# Altium PCB PM12_CFD.PcbDoc (part 3 of 12) (continued)
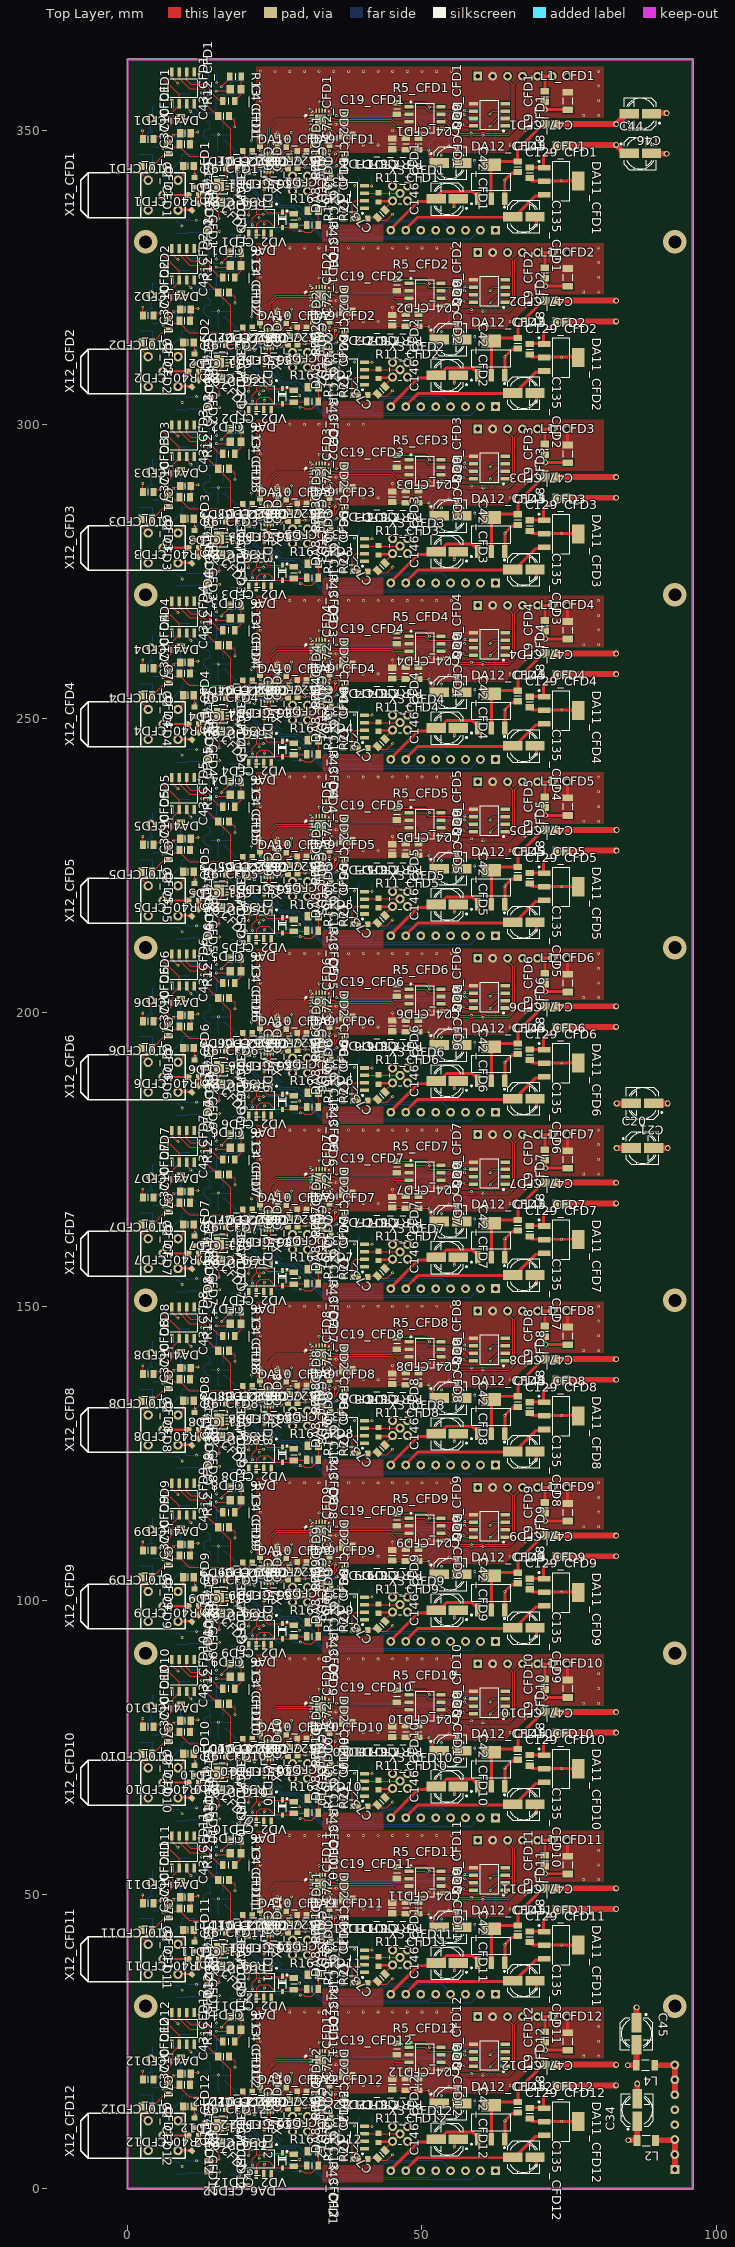
[diagram p0: Top Layer view]
## Components (designator, comment, footprint, x,y, rotation, side; value= is the part's Value field where it differs from the comment) (continued)
R40_CFD12 "27" RESC1608X64N 11.303,11.122 r270 top (schematic designator R40)
R41_CFD1 "51" RESC2012X60N 13.6,343.7 r180 bottom (schematic designator R41)
R41_CFD2 "51" RESC2012X60N 13.6,313.7 r180 bottom (schematic designator R41)
R41_CFD3 "51" RESC2012X60N 13.6,283.7 r180 bottom (schematic designator R41)
R41_CFD4 "51" RESC2012X60N 13.6,253.7 r180 bottom (schematic designator R41)
R41_CFD5 "51" RESC2012X60N 13.6,223.7 r180 bottom (schematic designator R41)
R41_CFD6 "51" RESC2012X60N 13.6,193.7 r180 bottom (schematic designator R41)
R41_CFD7 "51" RESC2012X60N 13.6,163.7 r180 bottom (schematic designator R41)
R41_CFD8 "51" RESC2012X60N 13.6,133.7 r180 bottom (schematic designator R41)
R41_CFD9 "51" RESC2012X60N 13.6,103.7 r180 bottom (schematic designator R41)
R41_CFD10 "51" RESC2012X60N 13.6,73.7 r180 bottom (schematic designator R41)
R41_CFD11 "51" RESC2012X60N 13.6,43.7 r180 bottom (schematic designator R41)
R41_CFD12 "51" RESC2012X60N 13.6,13.7 r180 bottom (schematic designator R41)
R42_CFD1 "10k" RESC2012X60N 27.056,332.9 r180 bottom (schematic designator R42)
R42_CFD2 "10k" RESC2012X60N 27.056,302.9 r180 bottom (schematic designator R42)
R42_CFD3 "10k" RESC2012X60N 27.056,272.9 r180 bottom (schematic designator R42)
R42_CFD4 "10k" RESC2012X60N 27.056,242.9 r180 bottom (schematic designator R42)
R42_CFD5 "10k" RESC2012X60N 27.056,212.9 r180 bottom (schematic designator R42)
R42_CFD6 "10k" RESC2012X60N 27.056,182.9 r180 bottom (schematic designator R42)
R42_CFD7 "10k" RESC2012X60N 27.056,152.9 r180 bottom (schematic designator R42)
R42_CFD8 "10k" RESC2012X60N 27.056,122.9 r180 bottom (schematic designator R42)
R42_CFD9 "10k" RESC2012X60N 27.056,92.9 r180 bottom (schematic designator R42)
R42_CFD10 "10k" RESC2012X60N 27.056,62.9 r180 bottom (schematic designator R42)
R42_CFD11 "10k" RESC2012X60N 27.056,32.9 r180 bottom (schematic designator R42)
R42_CFD12 "10k" RESC2012X60N 27.056,2.9 r180 bottom (schematic designator R42)
R43_CFD1 "1k" RESC2012X60N 31.369,333.883 r0 top (schematic designator R43)
R43_CFD2 "1k" RESC2012X60N 31.369,303.883 r0 top (schematic designator R43)
R43_CFD3 "1k" RESC2012X60N 31.369,273.883 r0 top (schematic designator R43)
R43_CFD4 "1k" RESC2012X60N 31.369,243.883 r0 top (schematic designator R43)
R43_CFD5 "1k" RESC2012X60N 31.369,213.883 r0 top (schematic designator R43)
R43_CFD6 "1k" RESC2012X60N 31.369,183.883 r0 top (schematic designator R43)
R43_CFD7 "1k" RESC2012X60N 31.369,153.883 r0 top (schematic designator R43)
R43_CFD8 "1k" RESC2012X60N 31.369,123.883 r0 top (schematic designator R43)
R43_CFD9 "1k" RESC2012X60N 31.369,93.883 r0 top (schematic designator R43)
R43_CFD10 "1k" RESC2012X60N 31.369,63.883 r0 top (schematic designator R43)
R43_CFD11 "1k" RESC2012X60N 31.369,33.883 r0 top (schematic designator R43)
R43_CFD12 "1k" RESC2012X60N 31.369,3.883 r0 top (schematic designator R43)
R44_CFD1 "200" RESC2012X60N 60.37,349.164 r0 bottom (schematic designator R44)
R44_CFD2 "200" RESC2012X60N 60.37,319.164 r0 bottom (schematic designator R44)
R44_CFD3 "200" RESC2012X60N 60.37,289.164 r0 bottom (schematic designator R44)
R44_CFD4 "200" RESC2012X60N 60.37,259.164 r0 bottom (schematic designator R44)
R44_CFD5 "200" RESC2012X60N 60.37,229.164 r0 bottom (schematic designator R44)
R44_CFD6 "200" RESC2012X60N 60.37,199.164 r0 bottom (schematic designator R44)
R44_CFD7 "200" RESC2012X60N 60.37,169.164 r0 bottom (schematic designator R44)
R44_CFD8 "200" RESC2012X60N 60.37,139.164 r0 bottom (schematic designator R44)
R44_CFD9 "200" RESC2012X60N 60.37,109.164 r0 bottom (schematic designator R44)
R44_CFD10 "200" RESC2012X60N 60.37,79.164 r0 bottom (schematic designator R44)
R44_CFD11 "200" RESC2012X60N 60.37,49.164 r0 bottom (schematic designator R44)
R44_CFD12 "200" RESC2012X60N 60.37,19.164 r0 bottom (schematic designator R44)
R45_CFD1 "510" RESC1608X55N 4.953,354.276 r180 bottom (schematic designator R45)
R45_CFD2 "510" RESC1608X55N 4.953,324.276 r180 bottom (schematic designator R45)
R45_CFD3 "510" RESC1608X55N 4.953,294.276 r180 bottom (schematic designator R45)
R45_CFD4 "510" RESC1608X55N 4.953,264.276 r180 bottom (schematic designator R45)
R45_CFD5 "510" RESC1608X55N 4.953,234.276 r180 bottom (schematic designator R45)
R45_CFD6 "510" RESC1608X55N 4.953,204.276 r180 bottom (schematic designator R45)
R45_CFD7 "510" RESC1608X55N 4.953,174.276 r180 bottom (schematic designator R45)
R45_CFD8 "510" RESC1608X55N 4.953,144.276 r180 bottom (schematic designator R45)
R45_CFD9 "510" RESC1608X55N 4.953,114.276 r180 bottom (schematic designator R45)
R45_CFD10 "510" RESC1608X55N 4.953,84.276 r180 bottom (schematic designator R45)
R45_CFD11 "510" RESC1608X55N 4.953,54.276 r180 bottom (schematic designator R45)
R45_CFD12 "510" RESC1608X55N 4.953,24.276 r180 bottom (schematic designator R45)
R46_CFD1 "51" RESC1608X55N 35.306,342.138 r180 top (schematic designator R46)
R46_CFD2 "51" RESC1608X55N 35.306,312.138 r180 top (schematic designator R46)
R46_CFD3 "51" RESC1608X55N 35.306,282.138 r180 top (schematic designator R46)
R46_CFD4 "51" RESC1608X55N 35.306,252.138 r180 top (schematic designator R46)
R46_CFD5 "51" RESC1608X55N 35.306,222.138 r180 top (schematic designator R46)
R46_CFD6 "51" RESC1608X55N 35.306,192.138 r180 top (schematic designator R46)
R46_CFD7 "51" RESC1608X55N 35.306,162.138 r180 top (schematic designator R46)
R46_CFD8 "51" RESC1608X55N 35.306,132.138 r180 top (schematic designator R46)
R46_CFD9 "51" RESC1608X55N 35.306,102.138 r180 top (schematic designator R46)
R46_CFD10 "51" RESC1608X55N 35.306,72.138 r180 top (schematic designator R46)
R46_CFD11 "51" RESC1608X55N 35.306,42.138 r180 top (schematic designator R46)
R46_CFD12 "51" RESC1608X55N 35.306,12.138 r180 top (schematic designator R46)
R48_CFD1 "680" RESC2012X60N 1.905,346.837 r90 bottom (schematic designator R48)
R48_CFD2 "680" RESC2012X60N 1.905,316.837 r90 bottom (schematic designator R48)
R48_CFD3 "680" RESC2012X60N 1.905,286.837 r90 bottom (schematic designator R48)
R48_CFD4 "680" RESC2012X60N 1.905,256.837 r90 bottom (schematic designator R48)
R48_CFD5 "680" RESC2012X60N 1.905,226.837 r90 bottom (schematic designator R48)
R48_CFD6 "680" RESC2012X60N 1.905,196.837 r90 bottom (schematic designator R48)
R48_CFD7 "680" RESC2012X60N 1.905,166.837 r90 bottom (schematic designator R48)
R48_CFD8 "680" RESC2012X60N 1.905,136.837 r90 bottom (schematic designator R48)
R48_CFD9 "680" RESC2012X60N 1.905,106.837 r90 bottom (schematic designator R48)
R48_CFD10 "680" RESC2012X60N 1.905,76.837 r90 bottom (schematic designator R48)
R48_CFD11 "680" RESC2012X60N 1.905,46.837 r90 bottom (schematic designator R48)
R48_CFD12 "680" RESC2012X60N 1.905,16.837 r90 bottom (schematic designator R48)
R50_CFD1 "510" RESC1608X55N 5.95,341.35 r90 bottom (schematic designator R50)
R50_CFD2 "510" RESC1608X55N 5.95,311.35 r90 bottom (schematic designator R50)
R50_CFD3 "510" RESC1608X55N 5.95,281.35 r90 bottom (schematic designator R50)
R50_CFD4 "510" RESC1608X55N 5.95,251.35 r90 bottom (schematic designator R50)
R50_CFD5 "510" RESC1608X55N 5.95,221.35 r90 bottom (schematic designator R50)
R50_CFD6 "510" RESC1608X55N 5.95,191.35 r90 bottom (schematic designator R50)
R50_CFD7 "510" RESC1608X55N 5.95,161.35 r90 bottom (schematic designator R50)
R50_CFD8 "510" RESC1608X55N 5.95,131.35 r90 bottom (schematic designator R50)
R50_CFD9 "510" RESC1608X55N 5.95,101.35 r90 bottom (schematic designator R50)
R50_CFD10 "510" RESC1608X55N 5.95,71.35 r90 bottom (schematic designator R50)
R50_CFD11 "510" RESC1608X55N 5.95,41.35 r90 bottom (schematic designator R50)
R50_CFD12 "510" RESC1608X55N 5.95,11.35 r90 bottom (schematic designator R50)
VD1_CFD1 "BAT15-03W" SOD2512X110N 18,357.251 r90 bottom (schematic designator VD1)
VD1_CFD2 "BAT15-03W" SOD2512X110N 18,327.251 r90 bottom (schematic designator VD1)
VD1_CFD3 "BAT15-03W" SOD2512X110N 18,297.251 r90 bottom (schematic designator VD1)
VD1_CFD4 "BAT15-03W" SOD2512X110N 18,267.251 r90 bottom (schematic designator VD1)
VD1_CFD5 "BAT15-03W" SOD2512X110N 18,237.251 r90 bottom (schematic designator VD1)
VD1_CFD6 "BAT15-03W" SOD2512X110N 18,207.251 r90 bottom (schematic designator VD1)
VD1_CFD7 "BAT15-03W" SOD2512X110N 18,177.251 r90 bottom (schematic designator VD1)
VD1_CFD8 "BAT15-03W" SOD2512X110N 18,147.251 r90 bottom (schematic designator VD1)
VD1_CFD9 "BAT15-03W" SOD2512X110N 18,117.251 r90 bottom (schematic designator VD1)
VD1_CFD10 "BAT15-03W" SOD2512X110N 18,87.251 r90 bottom (schematic designator VD1)
VD1_CFD11 "BAT15-03W" SOD2512X110N 18,57.251 r90 bottom (schematic designator VD1)
VD1_CFD12 "BAT15-03W" SOD2512X110N 18,27.251 r90 bottom (schematic designator VD1)
VD2_CFD1 "BAT15-03W" SOD2512X110N 26.289,334.772 r270 top (schematic designator VD2)
VD2_CFD2 "BAT15-03W" SOD2512X110N 26.289,304.772 r270 top (schematic designator VD2)
VD2_CFD3 "BAT15-03W" SOD2512X110N 26.289,274.772 r270 top (schematic designator VD2)
VD2_CFD4 "BAT15-03W" SOD2512X110N 26.289,244.772 r270 top (schematic designator VD2)
VD2_CFD5 "BAT15-03W" SOD2512X110N 26.289,214.772 r270 top (schematic designator VD2)
VD2_CFD6 "BAT15-03W" SOD2512X110N 26.289,184.772 r270 top (schematic designator VD2)
VD2_CFD7 "BAT15-03W" SOD2512X110N 26.289,154.772 r270 top (schematic designator VD2)
VD2_CFD8 "BAT15-03W" SOD2512X110N 26.289,124.772 r270 top (schematic designator VD2)
VD2_CFD9 "BAT15-03W" SOD2512X110N 26.289,94.772 r270 top (schematic designator VD2)
VD2_CFD10 "BAT15-03W" SOD2512X110N 26.289,64.772 r270 top (schematic designator VD2)
VD2_CFD11 "BAT15-03W" SOD2512X110N 26.289,34.772 r270 top (schematic designator VD2)
VD2_CFD12 "BAT15-03W" SOD2512X110N 26.289,4.772 r270 top (schematic designator VD2)
X1_CFD1 "Socket 3" SAMTEC_CES-103-01-T-S 8.97,352 r180 bottom (schematic designator X1)
X1_CFD2 "Socket 3" SAMTEC_CES-103-01-T-S 8.97,322 r180 bottom (schematic designator X1)
X1_CFD3 "Socket 3" SAMTEC_CES-103-01-T-S 8.97,292 r180 bottom (schematic designator X1)
X1_CFD4 "Socket 3" SAMTEC_CES-103-01-T-S 8.97,262 r180 bottom (schematic designator X1)
X1_CFD5 "Socket 3" SAMTEC_CES-103-01-T-S 8.97,232 r180 bottom (schematic designator X1)
X1_CFD6 "Socket 3" SAMTEC_CES-103-01-T-S 8.97,202 r180 bottom (schematic designator X1)
X1_CFD7 "Socket 3" SAMTEC_CES-103-01-T-S 8.97,172 r180 bottom (schematic designator X1)
X1_CFD8 "Socket 3" SAMTEC_CES-103-01-T-S 8.97,142 r180 bottom (schematic designator X1)
X1_CFD9 "Socket 3" SAMTEC_CES-103-01-T-S 8.97,112 r180 bottom (schematic designator X1)
X1_CFD10 "Socket 3" SAMTEC_CES-103-01-T-S 8.97,82 r180 bottom (schematic designator X1)
X1_CFD11 "Socket 3" SAMTEC_CES-103-01-T-S 8.97,52 r180 bottom (schematic designator X1)
X1_CFD12 "Socket 3" SAMTEC_CES-103-01-T-S 8.97,22 r180 bottom (schematic designator X1)
X2 "Socket 8" SAMTEC_CES-108-01-T-S 93,12.1 r90 bottom
X3_CFD1 "Coax_1Female_1Shield" SAMTEC_MMCX-J-P-H-ST-TH1 46.27,339.27 r90 top (schematic designator X3)
X3_CFD2 "Coax_1Female_1Shield" SAMTEC_MMCX-J-P-H-ST-TH1 46.27,309.27 r90 top (schematic designator X3)
X3_CFD3 "Coax_1Female_1Shield" SAMTEC_MMCX-J-P-H-ST-TH1 46.27,279.27 r90 top (schematic designator X3)
X3_CFD4 "Coax_1Female_1Shield" SAMTEC_MMCX-J-P-H-ST-TH1 46.27,249.27 r90 top (schematic designator X3)
X3_CFD5 "Coax_1Female_1Shield" SAMTEC_MMCX-J-P-H-ST-TH1 46.27,219.27 r90 top (schematic designator X3)
X3_CFD6 "Coax_1Female_1Shield" SAMTEC_MMCX-J-P-H-ST-TH1 46.27,189.27 r90 top (schematic designator X3)
X3_CFD7 "Coax_1Female_1Shield" SAMTEC_MMCX-J-P-H-ST-TH1 46.27,159.27 r90 top (schematic designator X3)
X3_CFD8 "Coax_1Female_1Shield" SAMTEC_MMCX-J-P-H-ST-TH1 46.27,129.27 r90 top (schematic designator X3)
X3_CFD9 "Coax_1Female_1Shield" SAMTEC_MMCX-J-P-H-ST-TH1 46.27,99.27 r90 top (schematic designator X3)
X3_CFD10 "Coax_1Female_1Shield" SAMTEC_MMCX-J-P-H-ST-TH1 46.27,69.27 r90 top (schematic designator X3)
X3_CFD11 "Coax_1Female_1Shield" SAMTEC_MMCX-J-P-H-ST-TH1 46.27,39.27 r90 top (schematic designator X3)
X3_CFD12 "Coax_1Female_1Shield" SAMTEC_MMCX-J-P-H-ST-TH1 46.27,9.27 r90 top (schematic designator X3)
X4_CFD1 "Coax_1Female_1Shield" SAMTEC_MMCX-J-P-H-ST-TH1 29.27,340.95 r180 top (schematic designator X4)
X4_CFD2 "Coax_1Female_1Shield" SAMTEC_MMCX-J-P-H-ST-TH1 29.27,310.95 r180 top (schematic designator X4)
X4_CFD3 "Coax_1Female_1Shield" SAMTEC_MMCX-J-P-H-ST-TH1 29.27,280.95 r180 top (schematic designator X4)
X4_CFD4 "Coax_1Female_1Shield" SAMTEC_MMCX-J-P-H-ST-TH1 29.27,250.95 r180 top (schematic designator X4)
X4_CFD5 "Coax_1Female_1Shield" SAMTEC_MMCX-J-P-H-ST-TH1 29.27,220.95 r180 top (schematic designator X4)
X4_CFD6 "Coax_1Female_1Shield" SAMTEC_MMCX-J-P-H-ST-TH1 29.27,190.95 r180 top (schematic designator X4)
X4_CFD7 "Coax_1Female_1Shield" SAMTEC_MMCX-J-P-H-ST-TH1 29.27,160.95 r180 top (schematic designator X4)
X4_CFD8 "Coax_1Female_1Shield" SAMTEC_MMCX-J-P-H-ST-TH1 29.27,130.95 r180 top (schematic designator X4)
X4_CFD9 "Coax_1Female_1Shield" SAMTEC_MMCX-J-P-H-ST-TH1 29.27,100.95 r180 top (schematic designator X4)
X4_CFD10 "Coax_1Female_1Shield" SAMTEC_MMCX-J-P-H-ST-TH1 29.27,70.95 r180 top (schematic designator X4)
X4_CFD11 "Coax_1Female_1Shield" SAMTEC_MMCX-J-P-H-ST-TH1 29.27,40.95 r180 top (schematic designator X4)
X4_CFD12 "Coax_1Female_1Shield" SAMTEC_MMCX-J-P-H-ST-TH1 29.27,10.95 r180 top (schematic designator X4)
X5_CFD1 "Socket 8" SAMTEC_CES-108-01-T-S 53.594,333 r180 bottom (schematic designator X5)
X5_CFD2 "Socket 8" SAMTEC_CES-108-01-T-S 53.594,303 r180 bottom (schematic designator X5)
X5_CFD3 "Socket 8" SAMTEC_CES-108-01-T-S 53.594,273 r180 bottom (schematic designator X5)
X5_CFD4 "Socket 8" SAMTEC_CES-108-01-T-S 53.594,243 r180 bottom (schematic designator X5)
X5_CFD5 "Socket 8" SAMTEC_CES-108-01-T-S 53.594,213 r180 bottom (schematic designator X5)
X5_CFD6 "Socket 8" SAMTEC_CES-108-01-T-S 53.594,183 r180 bottom (schematic designator X5)
X5_CFD7 "Socket 8" SAMTEC_CES-108-01-T-S 53.594,153 r180 bottom (schematic designator X5)
X5_CFD8 "Socket 8" SAMTEC_CES-108-01-T-S 53.594,123 r180 bottom (schematic designator X5)
X5_CFD9 "Socket 8" SAMTEC_CES-108-01-T-S 53.594,93 r180 bottom (schematic designator X5)
X5_CFD10 "Socket 8" SAMTEC_CES-108-01-T-S 53.594,63 r180 bottom (schematic designator X5)
X5_CFD11 "Socket 8" SAMTEC_CES-108-01-T-S 53.594,33 r180 bottom (schematic designator X5)
X5_CFD12 "Socket 8" SAMTEC_CES-108-01-T-S 53.594,3 r180 bottom (schematic designator X5)
X12_CFD1 "LEMO 00" LEMO_EPL.00.250.NTN 5.97,338.96 r180 top (schematic designator X12)
X12_CFD2 "LEMO 00" LEMO_EPL.00.250.NTN 5.97,308.96 r180 top (schematic designator X12)
X12_CFD3 "LEMO 00" LEMO_EPL.00.250.NTN 5.97,278.96 r180 top (schematic designator X12)
X12_CFD4 "LEMO 00" LEMO_EPL.00.250.NTN 5.97,248.96 r180 top (schematic designator X12)
X12_CFD5 "LEMO 00" LEMO_EPL.00.250.NTN 5.97,218.96 r180 top (schematic designator X12)
X12_CFD6 "LEMO 00" LEMO_EPL.00.250.NTN 5.97,188.96 r180 top (schematic designator X12)
X12_CFD7 "LEMO 00" LEMO_EPL.00.250.NTN 5.97,158.96 r180 top (schematic designator X12)
X12_CFD8 "LEMO 00" LEMO_EPL.00.250.NTN 5.97,128.96 r180 top (schematic designator X12)
X12_CFD9 "LEMO 00" LEMO_EPL.00.250.NTN 5.97,98.96 r180 top (schematic designator X12)
X12_CFD10 "LEMO 00" LEMO_EPL.00.250.NTN 5.97,68.96 r180 top (schematic designator X12)
X12_CFD11 "LEMO 00" LEMO_EPL.00.250.NTN 5.97,38.96 r180 top (schematic designator X12)
X12_CFD12 "LEMO 00" LEMO_EPL.00.250.NTN 5.97,8.96 r180 top (schematic designator X12)
X13_CFD1 "Socket 7" SAMTEC_CES-107-01-T-S 67.09,359.2 r0 bottom (schematic designator X13)
X13_CFD2 "Socket 7" SAMTEC_CES-107-01-T-S 67.09,329.2 r0 bottom (schematic designator X13)
X13_CFD3 "Socket 7" SAMTEC_CES-107-01-T-S 67.09,299.2 r0 bottom (schematic designator X13)
X13_CFD4 "Socket 7" SAMTEC_CES-107-01-T-S 67.09,269.2 r0 bottom (schematic designator X13)
X13_CFD5 "Socket 7" SAMTEC_CES-107-01-T-S 67.09,239.2 r0 bottom (schematic designator X13)
X13_CFD6 "Socket 7" SAMTEC_CES-107-01-T-S 67.09,209.2 r0 bottom (schematic designator X13)
X13_CFD7 "Socket 7" SAMTEC_CES-107-01-T-S 67.09,179.2 r0 bottom (schematic designator X13)
X13_CFD8 "Socket 7" SAMTEC_CES-107-01-T-S 67.09,149.2 r0 bottom (schematic designator X13)
X13_CFD9 "Socket 7" SAMTEC_CES-107-01-T-S 67.09,119.2 r0 bottom (schematic designator X13)
X13_CFD10 "Socket 7" SAMTEC_CES-107-01-T-S 67.09,89.2 r0 bottom (schematic designator X13)
X13_CFD11 "Socket 7" SAMTEC_CES-107-01-T-S 67.09,59.2 r0 bottom (schematic designator X13)
X13_CFD12 "Socket 7" SAMTEC_CES-107-01-T-S 67.09,29.2 r0 bottom (schematic designator X13)

## Footprints (in the part's own frame and the unit in brackets; to place one, negate y for a bottom-side part, rotate by r counter-clockwise, add the part's x,y. Pads: shape width x height; smd on the part's side, far side on the other; paste and mask are expansions set on the pad)
CAPAE530X610N [mm] "Capacitor, Aluminium Electrolytric, 5.3mm L X 5.3mm W X 6.1mm H, IPC Medium Density"
  rect 3.3x1.65 smd: 1(-1.9,0) 2(1.9,0)
  silkscreen extent -3.4,-2.76 2.76,2.76, body extent -3.05,-2.76 3.05,2.76, height 6.3
CAPC1608X87N [mm] "Chip Capacitor, Body 1.6x0.8mm IPC Medium Density"
  rect 0.95x1 smd: 1(-0.8,0) 2(0.8,0)
  body extent -0.87,-0.47 0.88,0.48, height 0.87
CAPC2012X135N [mm] "Chip Capacitor, Body 2.0x1.25mm, IPC Medium Density"
  rect 1.05x1.4 smd: 1(-0.9,0) 2(0.9,0)
  silkscreen extent 0,-0.58 0,0.58, body extent -1.05,-0.67 1.05,0.68, height 1.25
CAPC2013X100N [mm] "Capacitor, Non-Polarized, Chip; 2.00mm L X 1.25mm W X 0.9mm H, IPC Medium Density"
  rect 1.15x1.45 smd: 1(-0.9,0) 2(0.9,0)
  silkscreen extent 0,-0.63 0,0.63, body extent -1.1,-0.72 1.1,0.73, height 1
CAPC2013X115N [mm] "Capacitor, Non-Polarized, Chip; 2.01mm L X 1.25mm W X 1.147mm H, IPC Medium Density"
  rect 1.2x1.45 smd: 1(-0.9,0) 2(0.9,0)
  body extent -1,-0.62 1.01,0.63, height 1.15
CAPC3216X180N [mm] "Chip Capacitor, Body 3.2x1.6mm, IPC Medium Density"
  rect 1.15x1.8 smd: 1(-1.5,0) 2(1.5,0)
  silkscreen extent -0.55,-0.8 0.55,0.8, body extent -1.7,-0.9 1.7,0.9, height 1.8
IND_MURATA_BLM31KN [mm] "Chip Ferrite Bead, 3.20mm L X 1.6mm W, BLM31KN Series"
  rect 1.15x1.8 smd: 1(-1.575,0) 2(1.575,0)
  silkscreen extent -0.65,-0.9 0.65,0.9, body extent -1.6,-0.8 1.6,0.8, height 1.6
INDC1608X95N [mm] "Chip Inductor, 2-Leads, EIA 0603, Metric 1608, Body 1.6x0.8mm, IPC Medium Density"
  rect 0.95x1 smd: 1(-0.8,0) 2(0.8,0)
  body extent -0.87,-0.47 0.88,0.48, height 0.95
INDC2012X105N [mm] "Chip Inductor, EIA 0805, Metric 2012, Body 2.0x1.25mm, IPC Medium Density"
  rect 1.15x1.45 smd: 1(-0.9,0) 2(0.9,0)
  silkscreen extent 0,-0.6 0,0.6, body extent -1.1,-0.7 1.1,0.7, height 1.1
LEMO_EPL.00.250.NTN [mm] "50 Ohm size 00 Coaxial Elbow (90°) socket"
  round 1.6 hole 0.9: 1(0,0) 2(-2.54,2.54) 2(-2.54,-2.54) 2(2.54,2.54) 2(2.54,-2.54)
  silkscreen extent -3.81,-3.81 13.97,3.81, body extent -3.5,-3.5 14,3.5, height 7
QFN50P300X300X80-17N-S145 [mm] "QFN,0.50mm Pitch, Square; 4 pin X 4 Pin, 3mm X 3mm X 0.80mm H Body (w/Thermal Tab 1.45 X 1.45mm),  IPC Medium Density"
  oval 0.85x0.3 smd: 1(-1.45,0.75) 2(-1.45,0.25) 3(-1.45,-0.25) 4(-1.45,-0.75) 9(1.45,-0.75) 10(1.45,-0.25) 11(1.45,0.25) 12(1.45,0.75)
  oval 0.3x0.85 smd: 5(-0.75,-1.45) 6(-0.25,-1.45) 7(0.25,-1.45) 8(0.75,-1.45) 13(0.75,1.45) 14(0.25,1.45) 15(-0.25,1.45) 16(-0.75,1.45)
  rect 1.45x1.45 smd: 17(0,0)
  silkscreen extent -2.57,-1.5 1.5,1.5, body extent -1.58,-1.58 1.58,1.58, height 0.8
QFN50P300X300X100-17N-S185 [mm] "QFN,0.50mm pitch,square; 4 pin X 4 pin, 3mm X 3mm X 1.00mm H body (w/thermal tab 1.85 X 1.85mm),  IPC Medium Density"
  oval 0.75x0.3 smd: 1(-1.55,0.75) 2(-1.55,0.25) 3(-1.55,-0.25) 4(-1.55,-0.75) 9(1.55,-0.75) 10(1.55,-0.25) 11(1.55,0.25) 12(1.55,0.75)
  oval 0.3x0.75 smd: 5(-0.75,-1.55) 6(-0.25,-1.55) 7(0.25,-1.55) 8(0.75,-1.55) 13(0.75,1.55) 14(0.25,1.55) 15(-0.25,1.55) 16(-0.75,1.55)
  rect 1.85x1.85 smd: 17(0,0)
  silkscreen extent -2.62,-1.5 1.5,1.5, body extent -1.57,-1.57 1.58,1.58, height 1
RESC1005X40N [mm] "Chip Resistor, EIA 0402, Metric 1005, Body 1.0x0.5mm, IPC Medium Density"
  rect 0.58x0.62 smd: 1(-0.47,0) 2(0.47,0)
  body extent -0.52,-0.27 0.53,0.28, height 0.4
RESC1608X55N [mm] "Chip Resistor, EIA 0603, Metric 1608, Body 1.6x0.8mm, IPC Medium Density"
  rect 0.9x1 smd: 1(-0.8,0) 2(0.8,0)
  body extent -0.87,-0.47 0.88,0.48, height 0.55
RESC1608X64N [mm] "Chip Resistor, EIA 0603, Metric 1608, Body 1.6x0.8mm, IPC Medium Density"
  rect 0.85x1 smd: 1(-0.8,0) 2(0.8,0)
  body extent -0.87,-0.47 0.88,0.48, height 0.64
RESC2012X60N [mm] "Chip Resistor, EIA 0805, Metric 2012, Body 2.0x1.2mm, IPC Medium Density"
  rect 0.95x1.4 smd: 1(-1,0) 2(1,0)
  silkscreen extent 0,-0.55 0,0.55, body extent -1.1,-0.67 1.1,0.68, height 0.6
SAMTEC_CES-103-01-T-S [mm] "3 Contacts - Pitch 2.54mm - Single Row Through Mount Straigh Socket (Lead Length 3.25mm)"
  rect 1.5x1.5 hole 0.8: 1(0,0)
  round 1.5 hole 0.8: 2(2.54,0) 3(5.08,0)
  silkscreen extent -1.27,-1.52 6.35,2.21, body extent -1.27,-1.52 6.35,1.53, height 5.08
SAMTEC_CES-107-01-T-S [mm] "7 Contacts - Pitch 2.54mm - Single Row Through Mount Straigh Socket (Lead Length 3.25mm)"
  rect 1.5x1.5 hole 0.8: 1(-7.62,0)
  round 1.5 hole 0.8: 2(-5.08,0) 3(-2.54,0) 4(0,0) 5(2.54,0) 6(5.08,0) 7(7.62,0)
  silkscreen extent -8.89,-1.52 8.89,2.21, body extent -8.89,-1.52 8.89,1.52, height 5.08
SAMTEC_CES-108-01-T-S [mm] "8 Contacts - Pitch 2.54mm - Single Row Through Mount Straigh Socket (Lead Length 3.25mm)"
  rect 1.5x1.5 hole 0.8: 1(-8.89,0)
  round 1.5 hole 0.8: 2(-6.35,0) 3(-3.81,0) 4(-1.27,0) 5(1.27,0) 6(3.81,0) 7(6.35,0) 8(8.89,0)
  silkscreen extent -10.16,-1.52 10.16,2.22, body extent -10.16,-1.52 10.16,1.52, height 5.08
SAMTEC_MMCX-J-P-H-ST-TH1 [mm] "Straight Through-hole 50 Ohm Micro Mini RF Jack, MMCX Serie"
  round 1.55 hole 0.85: 1(0,0) 2(-1.27,-1.27) 2(-1.27,1.27) 2(1.27,-1.27) 2(1.27,1.27)
  silkscreen extent -1.75,-1.75 1.75,1.75, body extent -1.75,-1.75 1.75,1.75, height 4.35
SOD2512X110N [mm] "Small Outline Diode (SOD-323), 1.70mm W X 1.25mm L X 1.10mm H body,  IPC Medium Density"
  rect 0.9x0.5 smd: 1(-1.3,0) 2(1.3,0)
  silkscreen extent -1.62,-0.65 0.85,0.88, body extent -1.35,-0.67 1.35,0.68, height 1.1
SOIC127P600X175-8N [mm] "SOIC 8, Pitch 1.27mm - Body 4x5mm, IPC Medium Density"
  rect 1.55x0.6 smd: 1(-2.7,1.905) 2(-2.7,0.635) 3(-2.7,-0.635) 4(-2.7,-1.905) 5(2.7,-1.905) 6(2.7,-0.635) 7(2.7,0.635) 8(2.7,1.905)
  silkscreen extent -2.52,-2.5 1.55,2.88, body extent -3.1,-2.5 3.1,2.5, height 1.75
SOT95P280X145-5N [mm] "SOT, 0.95mm pitch; 5 pin, 1.60mm W X 2.90mm L X 1.45mm H body, IPC Medium Density"
  rect 1.1x0.6 smd: 1(-1.3,0.95) 2(-1.3,0) 3(-1.3,-0.95) 4(1.3,-0.95) 5(1.3,0.95)
  silkscreen extent -1.72,-1.45 0.43,1.88, body extent -1.4,-1.5 1.4,1.5, height 1.45
SOT230P700X180-4N [mm] "SOT223, 2.30mm pitch; 3 pin, 3.70mm W X 6.70mm L, IPC Medium Density"
  rect 2.15x0.95 smd: 1(-2.9,2.3) 2(-2.9,0) 3(-2.9,-2.3)
  rect 2.15x3.25 smd: 4(2.9,0)
  silkscreen extent -3.87,-3.35 1.45,3.47, body extent -3.65,-3.35 3.65,3.35, height 1.81
TEXAS_NGQ0008A [mm] "TEXAS Case Style NGQ(WSON-N9), SON, 0.50mm Pitch, Square; 8 Pin, 3.00mm L X 3.00mm W X 0.80mm H body (w/Thermal Tab 1.70 X 2.10mm)"
  rect 0.6x0.25 smd: 1(-1.4,0.75) 2(-1.4,0.25) 3(-1.4,-0.25) 4(-1.4,-0.75) 5(1.4,-0.75) 6(1.4,-0.25) 7(1.4,0.25) 8(1.4,0.75)
  rect 1.7x2.1 smd: 9(0,0)
  silkscreen extent -2.45,-1.5 1.5,1.5, body extent -1.5,-1.5 1.5,1.5, height 0.8

## Part data
C1_CFD1 C1_CFD2 C1_CFD3 C1_CFD4 C1_CFD5 C1_CFD6 C1_CFD7 C1_CFD8 C1_CFD9 C1_CFD10 C1_CFD11 C1_CFD12 C3_CFD1 C3_CFD2 C3_CFD3 C3_CFD4 C3_CFD5 C3_CFD6 C3_CFD7 C3_CFD8 C3_CFD9 C3_CFD10 C3_CFD11 C3_CFD12 C8_CFD1 C8_CFD2 C8_CFD3 C8_CFD4 C8_CFD5 C8_CFD6 C8_CFD7 C8_CFD8 C8_CFD9 C8_CFD10 C8_CFD11 C8_CFD12 C10_CFD1 C10_CFD2 C10_CFD3 C10_CFD4 C10_CFD5 C10_CFD6 C10_CFD7 C10_CFD8 C10_CFD9 C10_CFD10 C10_CFD11 C10_CFD12 C11_CFD1 C11_CFD2 C11_CFD3 C11_CFD4 C11_CFD5 C11_CFD6 C11_CFD7 C11_CFD8 C11_CFD9 C11_CFD10 C11_CFD11 C11_CFD12 C12_CFD1 C12_CFD2 C12_CFD3 C12_CFD4 C12_CFD5 C12_CFD6 C12_CFD7 C12_CFD8 C12_CFD9 C12_CFD10 C12_CFD11 C12_CFD12 C19_CFD1 C19_CFD2 C19_CFD3 C19_CFD4 C19_CFD5 C19_CFD6 C19_CFD7 C19_CFD8 C19_CFD9 C19_CFD10 C19_CFD11 C19_CFD12 C24_CFD1 C24_CFD2 C24_CFD3 C24_CFD4 C24_CFD5 C24_CFD6 C24_CFD7 C24_CFD8 C24_CFD9 C24_CFD10 C24_CFD11 C24_CFD12 C26_CFD1 C26_CFD2 C26_CFD3 C26_CFD4 C26_CFD5 C26_CFD6 C26_CFD7 C26_CFD8 C26_CFD9 C26_CFD10 C26_CFD11 C26_CFD12 C29_CFD1 C29_CFD2 C29_CFD3 C29_CFD4 C29_CFD5 C29_CFD6 C29_CFD7 C29_CFD8 C29_CFD9 C29_CFD10 C29_CFD11 C29_CFD12 C30_CFD1 C30_CFD2 C30_CFD3 C30_CFD4 C30_CFD5 C30_CFD6 C30_CFD7 C30_CFD8 C30_CFD9 C30_CFD10 C30_CFD11 C30_CFD12 C37_CFD1 C37_CFD2 C37_CFD3 C37_CFD4 C37_CFD5 C37_CFD6 C37_CFD7 C37_CFD8 C37_CFD9 C37_CFD10 C37_CFD11 C37_CFD12 C38_CFD1 C38_CFD2 C38_CFD3 C38_CFD4 C38_CFD5 C38_CFD6 C38_CFD7 C38_CFD8 C38_CFD9 C38_CFD10 C38_CFD11 C38_CFD12 C41_CFD1 C41_CFD2 C41_CFD3 C41_CFD4 C41_CFD5 C41_CFD6 C41_CFD7 C41_CFD8 C41_CFD9 C41_CFD10 C41_CFD11 C41_CFD12 C43_CFD1 C43_CFD2 C43_CFD3 C43_CFD4 C43_CFD5 C43_CFD6 C43_CFD7 C43_CFD8 C43_CFD9 C43_CFD10 C43_CFD11 C43_CFD12 C71_CFD1 C71_CFD2 C71_CFD3 C71_CFD4 C71_CFD5 C71_CFD6 C71_CFD7 C71_CFD8 C71_CFD9 C71_CFD10 C71_CFD11 C71_CFD12 C72_CFD1 C72_CFD2 C72_CFD3 C72_CFD4 C72_CFD5 C72_CFD6 C72_CFD7 C72_CFD8 C72_CFD9 C72_CFD10 C72_CFD11 C72_CFD12 C73_CFD1 C73_CFD2 C73_CFD3 C73_CFD4 C73_CFD5 C73_CFD6 C73_CFD7 C73_CFD8 C73_CFD9 C73_CFD10 C73_CFD11 C73_CFD12 C129_CFD1 C129_CFD2 C129_CFD3 C129_CFD4 C129_CFD5 C129_CFD6 C129_CFD7 C129_CFD8 C129_CFD9 C129_CFD10 C129_CFD11 C129_CFD12 C145_CFD1 C145_CFD2 C145_CFD3 C145_CFD4 C145_CFD5 C145_CFD6 C145_CFD7 C145_CFD8 C145_CFD9 C145_CFD10 C145_CFD11 C145_CFD12: library part CC0805_220NF_50V_10%_X7R, "Non-polarised capacitor", Case=0805, Manufacturer=GENERIC, Manufacturer1 ComponentHeight=1.35mm, Manufacturer1 Example=MURATA, Manufacturer1 Part Number=GRM21BR71H224KA01L, Tolerance=±10%, Voltage=50V, Author="CERN DEM JLC", Component Type=Standard, CreateDate=03.12.2007, HelpURL=\\cern.ch\dfs\Applications\Altium\Datasheets\CC0805_X7R_MURATA.pdf, LatestRevisionDate=03.12.2007, Manufacturer Part Number=CC0805_220NF_50V_10%_X7R, Mounted=Yes, Part Description="SMD Multilayer Chip Ceramic Capacitor", Part Number=CC0805_220NF_50V_10%_X7R, Pin Count=2, Sense=No, SMD=Yes, Socket=No, Status=Preferred, TC=X7R
C2_CFD1 C2_CFD2 C2_CFD3 C2_CFD4 C2_CFD5 C2_CFD6 C2_CFD7 C2_CFD8 C2_CFD9 C2_CFD10 C2_CFD11 C2_CFD12 C14_CFD1 C14_CFD2 C14_CFD3 C14_CFD4 C14_CFD5 C14_CFD6 C14_CFD7 C14_CFD8 C14_CFD9 C14_CFD10 C14_CFD11 C14_CFD12: library part CC0805_10NF_50V_2%_C0G, "Non-polarised capacitor", Case=0805, Manufacturer=GENERIC, Manufacturer1 ComponentHeight=1.35mm, Manufacturer1 Example="Walsin Technology Corporation", Manufacturer1 Part Number=0805N103G500CT, Tolerance=±2%, Voltage=50V, Author="CERN DEM HF", Component Type=Standard, CreateDate=15.04.2024, HelpURL=\\cern.ch\dfs\Applications\Altium\Datasheets\CC0805_C0G_Walsin.pdf, LatestRevisionDate=15.04.2024, Manufacturer Part Number=CC0805_10NF_50V_2%_C0G, Mounted=Yes, Part Description="SMD Multilayer Chip Ceramic Capacitor", Part Number=CC0805_10NF_50V_2%_C0G, Pin Count=2, Sense=No, SMD=Yes, Socket=No, Status=None, TC=C0G/NP0